# Altium PCB EDA-03518-V3-0_pcb.pcbdoc (part 9 of 14) (continued)
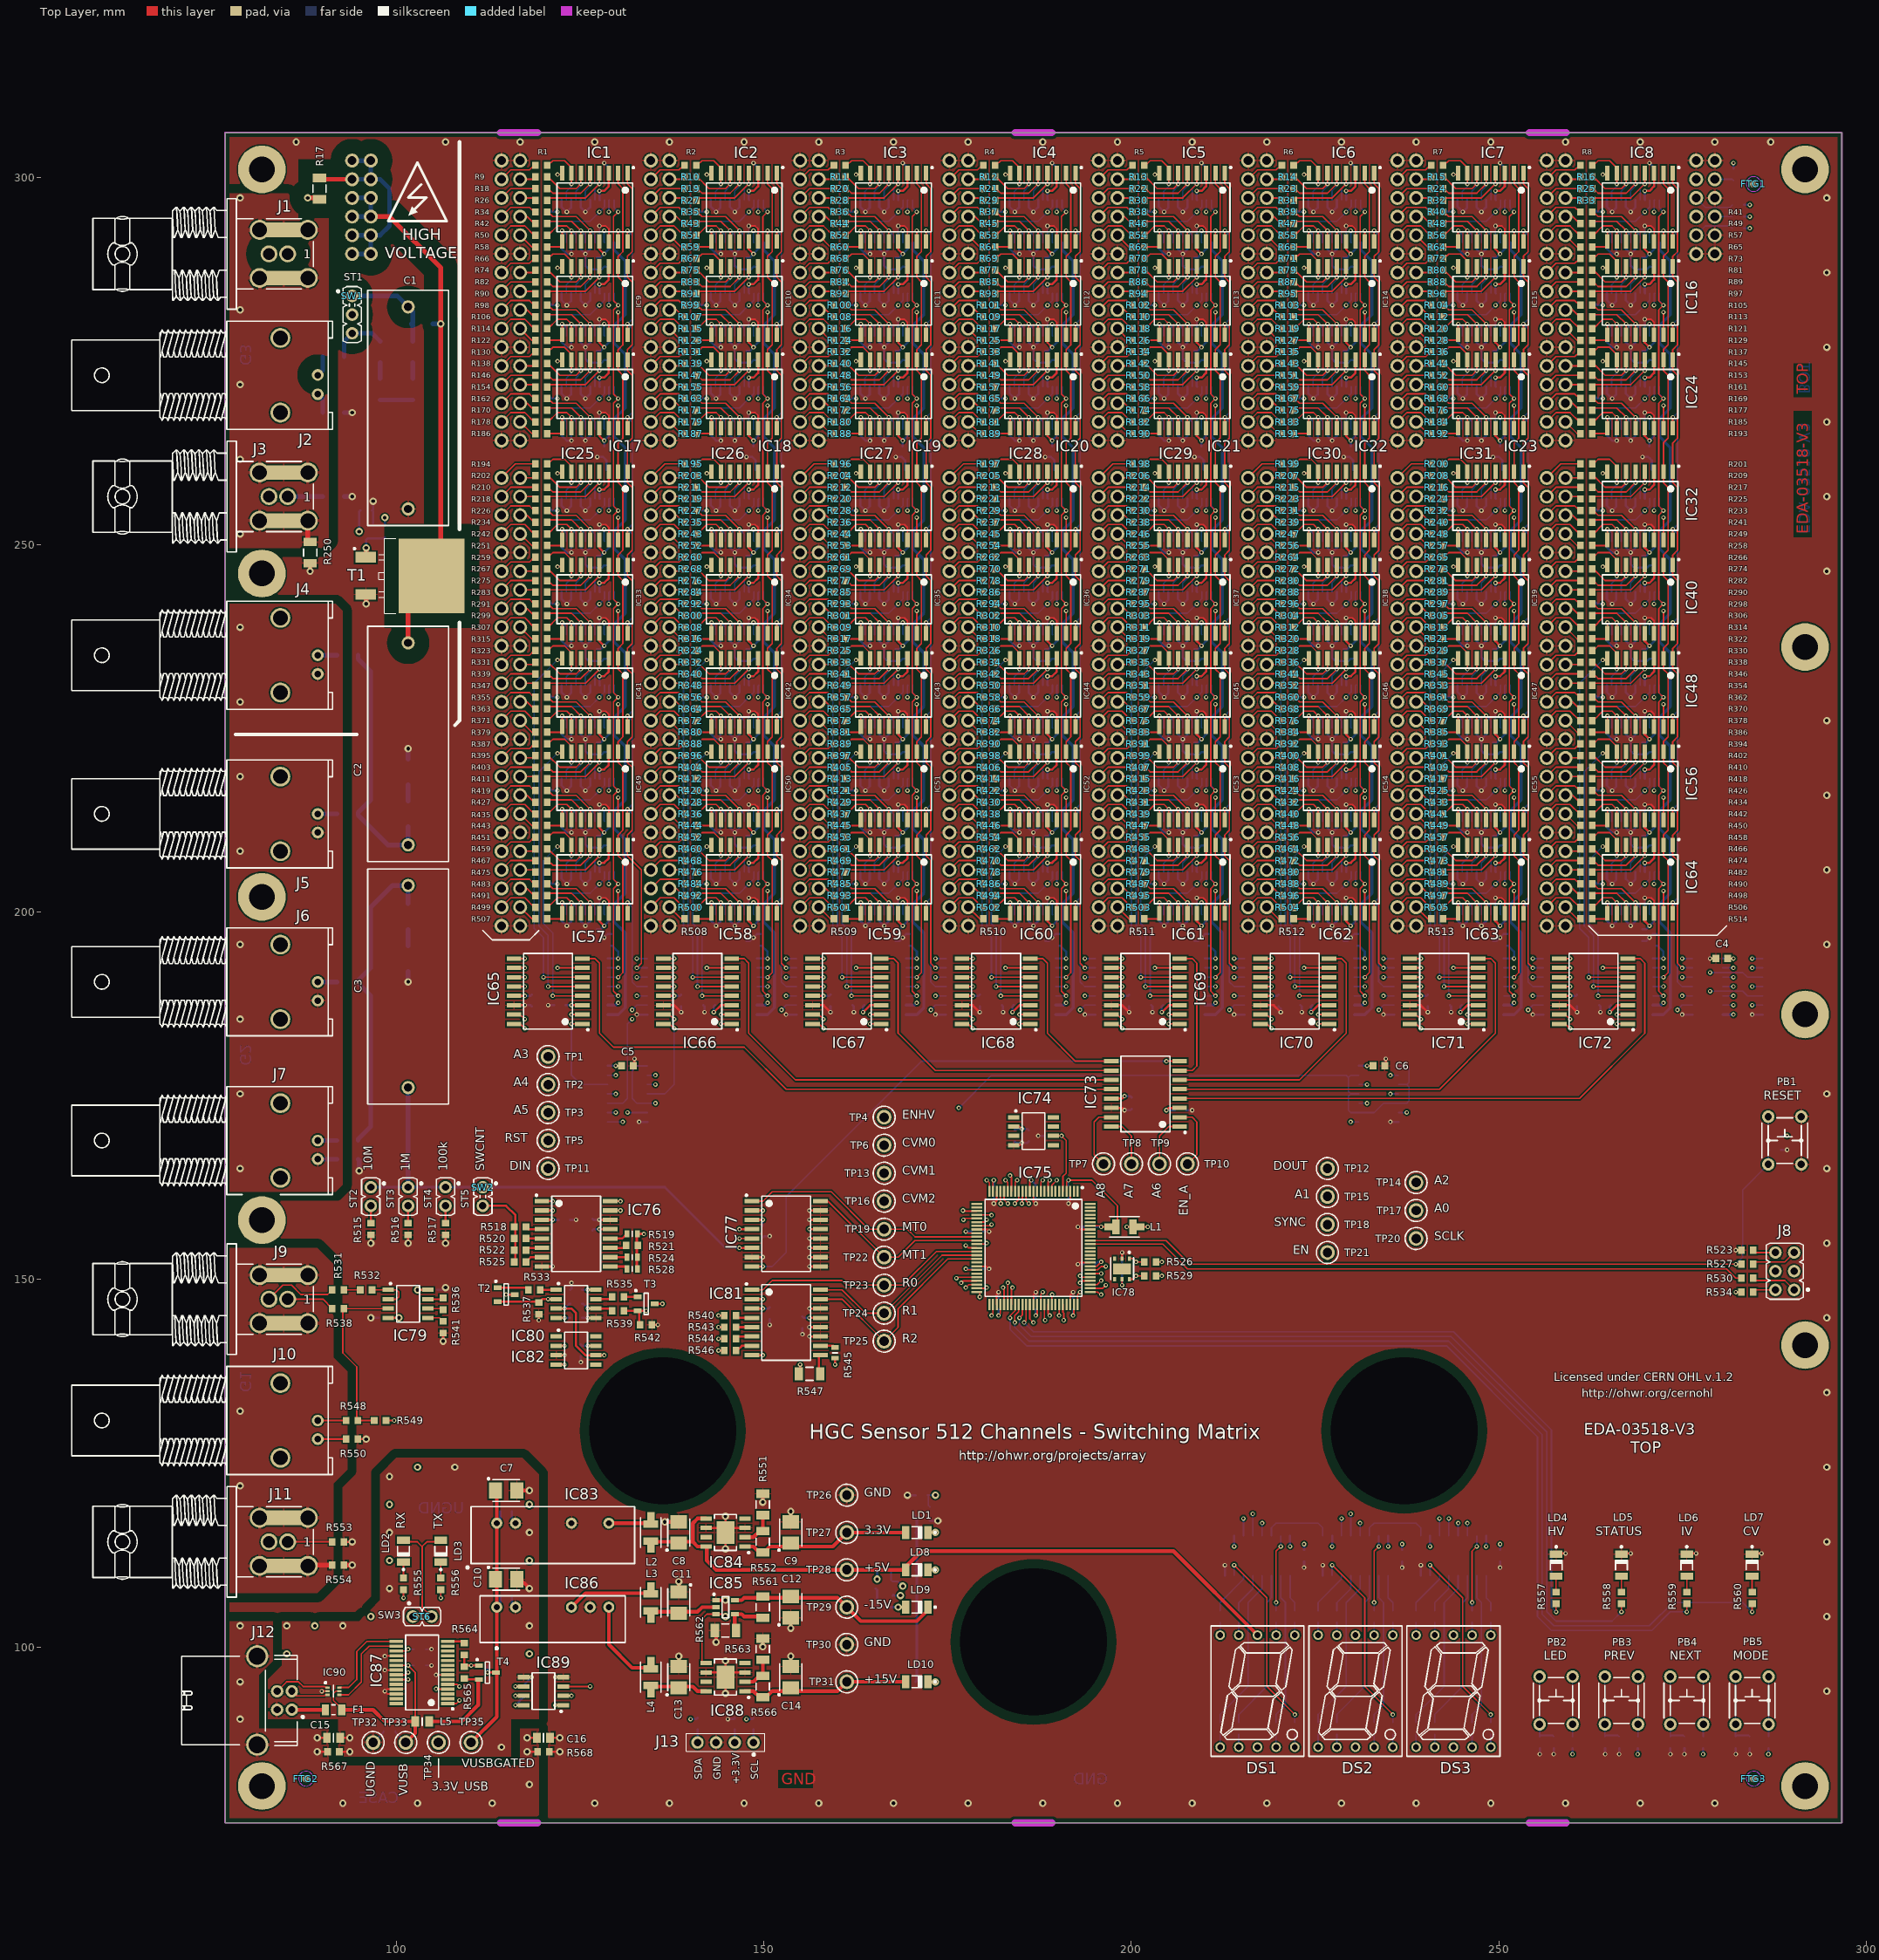
[diagram p0: Top Layer view]
## Nets (pads, with @x,y where several pads share a name; then routed paths per layer and width w, separated by ;. In a path a pad name is that pad's centre, name@x,y a point inside that pad or via, vN(x,y) a via of type N, cw(c..) or ccw(c..) an arc to the next point about the centre after c; other vN are vias at no path point) (continued)
NetIC10_5: IC10.5 IC105.18 R83.2 | length 10.6
  Top Layer w0.203: R83.2@140.818,285.75 140.97,285.75 141.605,285.115 145.415,285.115 v1(146.685,286.385) IC10.5@146.685,287.86
  Bottom Layer w0.203: IC105.18@146.042,284.205 146.042,285.425 146.685,286.067 v1(146.685,286.385)
NetIC10_6: IC10.6 IC105.16 R75.2 | length 9.5
  Top Layer w0.203: R75.2@140.818,287.337 140.97,287.337 142.558,285.75 144.78,285.75 v1(145.415,286.385) IC10.6@145.415,287.86
  Bottom Layer w0.203: IC105.16@144.742,284.205 144.742,285.395 145.415,286.067 v1(145.415,286.385)
NetIC10_7: IC10.7 IC105.14 R67.2 | length 8.7
  Top Layer w0.203: R67.2@140.818,288.925 140.97,288.925 141.605,289.56 143.192,289.56 144.145,288.608 IC10.7@144.145,287.86 v1(144.145,286.385)
  Bottom Layer w0.203: IC105.14@143.442,284.205 143.442,285.365 144.145,286.067 v1(144.145,286.385)
NetIC10_8: IC10.8 IC66.10 | length 99.3
  Top Layer w0.203: IC66.10@136.32,192.405 v1(137.795,192.405) ; v1(142.24,287.655) 142.67,287.655 IC10.8@142.875,287.86
  L6 w0.203: v1(137.795,192.405) 139.7,194.31 139.7,285.115 v1(142.24,287.655)
NetIC10_9: IC10.9 IC105.11 R123.2 | length 6.1
  Top Layer w0.203: R123.2@140.818,277.812 142.875,277.812 IC10.9@142.875,278.56 v1(142.875,280.035)
  Bottom Layer w0.203: v1(142.875,280.035) 143.442,279.468 IC105.11@143.442,278.405
NetIC10_10: IC10.10 IC105.9 R115.2 | length 7.5
  Top Layer w0.203: R115.2@140.818,279.4 140.97,279.4 142.24,280.67 143.51,280.67 v1(144.145,280.035) IC10.10@144.145,278.56
  Bottom Layer w0.203: v1(144.145,280.035) 144.742,279.438 IC105.9@144.742,278.405
NetIC10_11: IC10.11 IC105.7 R107.2 | length 8.6
  Top Layer w0.203: R107.2@140.818,280.988 141.135,281.305 144.145,281.305 v1(145.415,280.035) IC10.11@145.415,278.56
  Bottom Layer w0.203: v1(145.415,280.035) 146.042,279.408 IC105.7@146.042,278.405
NetIC10_12: IC10.12 IC105.5 R99.2 | length 10.3
  Top Layer w0.203: R99.2@140.818,282.575 140.97,282.575 141.605,281.94 144.78,281.94 v1(146.685,280.035) IC10.12@146.685,278.56
  Bottom Layer w0.203: v1(146.685,280.035) 147.342,279.378 IC105.5@147.342,278.405
NetIC11_4: IC11.4 IC104.20 R92.2 | length 12
  Top Layer w0.203: R92.2@161.138,284.162 161.455,284.48 166.37,284.48 v1(168.275,286.385) IC11.4@168.275,287.86
  Bottom Layer w0.203: IC104.20@167.662,284.205 167.662,285.772 v1(168.275,286.385)
NetIC11_5: IC11.5 IC104.18 R84.2 | length 10.6
  Top Layer w0.203: R84.2@161.138,285.75 161.29,285.75 161.925,285.115 165.735,285.115 v1(167.005,286.385) IC11.5@167.005,287.86
  Bottom Layer w0.203: IC104.18@166.362,284.205 166.362,285.425 167.005,286.067 v1(167.005,286.385)
NetIC11_6: IC11.6 IC104.16 R76.2 | length 9.5
  Top Layer w0.203: R76.2@161.138,287.337 161.29,287.337 162.877,285.75 165.1,285.75 v1(165.735,286.385) IC11.6@165.735,287.86
  Bottom Layer w0.203: IC104.16@165.062,284.205 165.062,285.395 165.735,286.067 v1(165.735,286.385)
NetIC11_7: IC11.7 IC104.14 R68.2 | length 8.7
  Top Layer w0.203: R68.2@161.138,288.925 161.29,288.925 161.925,289.56 163.512,289.56 164.465,288.608 IC11.7@164.465,287.86 v1(164.465,286.385)
  Bottom Layer w0.203: IC104.14@163.762,284.205 163.762,285.365 164.465,286.067 v1(164.465,286.385)
NetIC11_8: IC11.8 IC67.10 | length 99.3
  Top Layer w0.203: IC67.10@156.64,192.405 v1(158.115,192.405) ; v1(162.56,287.655) 162.99,287.655 IC11.8@163.195,287.86
  L6 w0.203: v1(158.115,192.405) 160.02,194.31 160.02,285.115 v1(162.56,287.655)
NetIC11_9: IC11.9 IC104.11 R124.2 | length 6.1
  Top Layer w0.203: R124.2@161.138,277.812 163.195,277.812 IC11.9@163.195,278.56 v1(163.195,280.035)
  Bottom Layer w0.203: v1(163.195,280.035) 163.762,279.468 IC104.11@163.762,278.405
NetIC11_10: IC11.10 IC104.9 R116.2 | length 7.5
  Top Layer w0.203: R116.2@161.138,279.4 161.29,279.4 162.56,280.67 163.83,280.67 v1(164.465,280.035) IC11.10@164.465,278.56
  Bottom Layer w0.203: v1(164.465,280.035) 165.062,279.438 IC104.9@165.062,278.405
NetIC11_11: IC11.11 IC104.7 R108.2 | length 8.6
  Top Layer w0.203: R108.2@161.138,280.988 161.455,281.305 164.465,281.305 v1(165.735,280.035) IC11.11@165.735,278.56
  Bottom Layer w0.203: v1(165.735,280.035) 166.362,279.408 IC104.7@166.362,278.405
NetIC11_12: IC11.12 IC104.5 R100.2 | length 10.3
  Top Layer w0.203: R100.2@161.138,282.575 161.29,282.575 161.925,281.94 165.1,281.94 v1(167.005,280.035) IC11.12@167.005,278.56
  Bottom Layer w0.203: v1(167.005,280.035) 167.662,279.378 IC104.5@167.662,278.405
NetIC12_4: IC12.4 IC103.20 R93.2 | length 12
  Top Layer w0.203: R93.2@181.458,284.162 181.775,284.48 186.69,284.48 v1(188.595,286.385) IC12.4@188.595,287.86
  Bottom Layer w0.203: IC103.20@187.982,284.205 187.982,285.772 v1(188.595,286.385)
NetIC12_5: IC12.5 IC103.18 R85.2 | length 10.6
  Top Layer w0.203: R85.2@181.458,285.75 181.61,285.75 182.245,285.115 186.055,285.115 v1(187.325,286.385) IC12.5@187.325,287.86
  Bottom Layer w0.203: IC103.18@186.682,284.205 186.682,285.425 187.325,286.067 v1(187.325,286.385)
NetIC12_6: IC12.6 IC103.16 R77.2 | length 9.5
  Top Layer w0.203: R77.2@181.458,287.337 181.61,287.337 183.197,285.75 185.42,285.75 v1(186.055,286.385) IC12.6@186.055,287.86
  Bottom Layer w0.203: IC103.16@185.382,284.205 185.382,285.395 186.055,286.067 v1(186.055,286.385)
NetIC12_7: IC12.7 IC103.14 R69.2 | length 8.7
  Top Layer w0.203: R69.2@181.458,288.925 181.61,288.925 182.245,289.56 183.832,289.56 184.785,288.608 IC12.7@184.785,287.86 v1(184.785,286.385)
  Bottom Layer w0.203: IC103.14@184.082,284.205 184.082,285.365 184.785,286.067 v1(184.785,286.385)
NetIC12_8: IC12.8 IC68.10 | length 99.3
  Top Layer w0.203: IC68.10@176.96,192.405 v1(178.435,192.405) ; v1(182.88,287.655) 183.31,287.655 IC12.8@183.515,287.86
  L6 w0.203: v1(178.435,192.405) 180.34,194.31 180.34,285.115 v1(182.88,287.655)
NetIC12_9: IC12.9 IC103.11 R125.2 | length 6.1
  Top Layer w0.203: R125.2@181.458,277.812 183.515,277.812 IC12.9@183.515,278.56 v1(183.515,280.035)
  Bottom Layer w0.203: v1(183.515,280.035) 184.082,279.468 IC103.11@184.082,278.405
NetIC12_10: IC12.10 IC103.9 R117.2 | length 7.5
  Top Layer w0.203: R117.2@181.458,279.4 181.61,279.4 182.88,280.67 184.15,280.67 v1(184.785,280.035) IC12.10@184.785,278.56
  Bottom Layer w0.203: v1(184.785,280.035) 185.382,279.438 IC103.9@185.382,278.405
NetIC12_11: IC12.11 IC103.7 R109.2 | length 8.6
  Top Layer w0.203: R109.2@181.458,280.988 181.775,281.305 184.785,281.305 v1(186.055,280.035) IC12.11@186.055,278.56
  Bottom Layer w0.203: v1(186.055,280.035) 186.682,279.408 IC103.7@186.682,278.405
NetIC12_12: IC12.12 IC103.5 R101.2 | length 10.3
  Top Layer w0.203: R101.2@181.458,282.575 181.61,282.575 182.245,281.94 185.42,281.94 v1(187.325,280.035) IC12.12@187.325,278.56
  Bottom Layer w0.203: v1(187.325,280.035) 187.982,279.378 IC103.5@187.982,278.405
NetIC13_4: IC13.4 IC102.20 R94.2 | length 12
  Top Layer w0.203: R94.2@201.778,284.162 202.095,284.48 207.01,284.48 v1(208.915,286.385) IC13.4@208.915,287.86
  Bottom Layer w0.203: IC102.20@208.302,284.205 208.302,285.772 v1(208.915,286.385)
NetIC13_5: IC13.5 IC102.18 R86.2 | length 10.6
  Top Layer w0.203: R86.2@201.778,285.75 201.93,285.75 202.565,285.115 206.375,285.115 v1(207.645,286.385) IC13.5@207.645,287.86
  Bottom Layer w0.203: IC102.18@207.002,284.205 207.002,285.425 207.645,286.067 v1(207.645,286.385)
NetIC13_6: IC13.6 IC102.16 R78.2 | length 9.5
  Top Layer w0.203: R78.2@201.778,287.337 201.93,287.337 203.517,285.75 205.74,285.75 v1(206.375,286.385) IC13.6@206.375,287.86
  Bottom Layer w0.203: IC102.16@205.702,284.205 205.702,285.395 206.375,286.067 v1(206.375,286.385)
NetIC13_7: IC13.7 IC102.14 R70.2 | length 8.7
  Top Layer w0.203: R70.2@201.778,288.925 201.93,288.925 202.565,289.56 204.153,289.56 205.105,288.608 IC13.7@205.105,287.86 v1(205.105,286.385)
  Bottom Layer w0.203: IC102.14@204.402,284.205 204.402,285.365 205.105,286.067 v1(205.105,286.385)
NetIC13_8: IC13.8 IC69.10 | length 99.3
  Top Layer w0.203: IC69.10@197.28,192.405 v1(198.755,192.405) ; v1(203.2,287.655) 203.63,287.655 IC13.8@203.835,287.86
  L6 w0.203: v1(198.755,192.405) 200.66,194.31 200.66,285.115 v1(203.2,287.655)
NetIC13_9: IC13.9 IC102.11 R126.2 | length 6.1
  Top Layer w0.203: R126.2@201.778,277.812 203.835,277.812 IC13.9@203.835,278.56 v1(203.835,280.035)
  Bottom Layer w0.203: v1(203.835,280.035) 204.402,279.468 IC102.11@204.402,278.405
NetIC13_10: IC13.10 IC102.9 R118.2 | length 7.5
  Top Layer w0.203: R118.2@201.778,279.4 201.93,279.4 203.2,280.67 204.47,280.67 v1(205.105,280.035) IC13.10@205.105,278.56
  Bottom Layer w0.203: v1(205.105,280.035) 205.702,279.438 IC102.9@205.702,278.405
NetIC13_11: IC13.11 IC102.7 R110.2 | length 8.6
  Top Layer w0.203: R110.2@201.778,280.988 202.095,281.305 205.105,281.305 v1(206.375,280.035) IC13.11@206.375,278.56
  Bottom Layer w0.203: v1(206.375,280.035) 207.002,279.408 IC102.7@207.002,278.405
NetIC13_12: IC13.12 IC102.5 R102.2 | length 10.3
  Top Layer w0.203: R102.2@201.778,282.575 201.93,282.575 202.565,281.94 205.74,281.94 v1(207.645,280.035) IC13.12@207.645,278.56
  Bottom Layer w0.203: v1(207.645,280.035) 208.302,279.378 IC102.5@208.302,278.405
NetIC14_4: IC14.4 IC101.20 R95.2 | length 12
  Top Layer w0.203: R95.2@222.098,284.162 222.415,284.48 227.33,284.48 v1(229.235,286.385) IC14.4@229.235,287.86
  Bottom Layer w0.203: IC101.20@228.622,284.205 228.622,285.772 v1(229.235,286.385)
NetIC14_5: IC14.5 IC101.18 R87.2 | length 10.6
  Top Layer w0.203: R87.2@222.098,285.75 222.25,285.75 222.885,285.115 226.695,285.115 v1(227.965,286.385) IC14.5@227.965,287.86
  Bottom Layer w0.203: IC101.18@227.322,284.205 227.322,285.425 227.965,286.067 v1(227.965,286.385)
NetIC14_6: IC14.6 IC101.16 R79.2 | length 9.5
  Top Layer w0.203: R79.2@222.098,287.337 222.25,287.337 223.837,285.75 226.06,285.75 v1(226.695,286.385) IC14.6@226.695,287.86
  Bottom Layer w0.203: IC101.16@226.022,284.205 226.022,285.395 226.695,286.067 v1(226.695,286.385)
NetIC14_7: IC14.7 IC101.14 R71.2 | length 8.7
  Top Layer w0.203: R71.2@222.098,288.925 222.25,288.925 222.885,289.56 224.472,289.56 225.425,288.608 IC14.7@225.425,287.86 v1(225.425,286.385)
  Bottom Layer w0.203: IC101.14@224.722,284.205 224.722,285.365 225.425,286.067 v1(225.425,286.385)
NetIC14_8: IC14.8 IC70.10 | length 99.3
  Top Layer w0.203: IC70.10@217.6,192.405 v1(219.075,192.405) ; v1(223.52,287.655) 223.95,287.655 IC14.8@224.155,287.86
  L6 w0.203: v1(219.075,192.405) 220.98,194.31 220.98,285.115 v1(223.52,287.655)
NetIC14_9: IC14.9 IC101.11 R127.2 | length 6.1
  Top Layer w0.203: R127.2@222.098,277.812 224.155,277.812 IC14.9@224.155,278.56 v1(224.155,280.035)
  Bottom Layer w0.203: v1(224.155,280.035) 224.722,279.468 IC101.11@224.722,278.405
NetIC14_10: IC14.10 IC101.9 R119.2 | length 7.5
  Top Layer w0.203: R119.2@222.098,279.4 222.25,279.4 223.52,280.67 224.79,280.67 v1(225.425,280.035) IC14.10@225.425,278.56
  Bottom Layer w0.203: v1(225.425,280.035) 226.022,279.438 IC101.9@226.022,278.405
NetIC14_11: IC14.11 IC101.7 R111.2 | length 8.6
  Top Layer w0.203: R111.2@222.098,280.988 222.415,281.305 225.425,281.305 v1(226.695,280.035) IC14.11@226.695,278.56
  Bottom Layer w0.203: v1(226.695,280.035) 227.322,279.408 IC101.7@227.322,278.405
NetIC14_12: IC14.12 IC101.5 R103.2 | length 10.3
  Top Layer w0.203: R103.2@222.098,282.575 222.25,282.575 222.885,281.94 226.06,281.94 v1(227.965,280.035) IC14.12@227.965,278.56
  Bottom Layer w0.203: v1(227.965,280.035) 228.622,279.378 IC101.5@228.622,278.405
NetIC15_4: IC15.4 IC100.20 R96.2 | length 12
  Top Layer w0.203: R96.2@242.418,284.162 242.735,284.48 247.65,284.48 v1(249.555,286.385) IC15.4@249.555,287.86
  Bottom Layer w0.203: IC100.20@248.942,284.205 248.942,285.772 v1(249.555,286.385)
NetIC15_5: IC15.5 IC100.18 R88.2 | length 10.6
  Top Layer w0.203: R88.2@242.418,285.75 242.57,285.75 243.205,285.115 247.015,285.115 v1(248.285,286.385) IC15.5@248.285,287.86
  Bottom Layer w0.203: IC100.18@247.642,284.205 247.642,285.425 248.285,286.067 v1(248.285,286.385)
NetIC15_6: IC15.6 IC100.16 R80.2 | length 9.5
  Top Layer w0.203: R80.2@242.418,287.337 242.57,287.337 244.157,285.75 246.38,285.75 v1(247.015,286.385) IC15.6@247.015,287.86
  Bottom Layer w0.203: IC100.16@246.342,284.205 246.342,285.395 247.015,286.067 v1(247.015,286.385)
NetIC15_7: IC15.7 IC100.14 R72.2 | length 8.7
  Top Layer w0.203: R72.2@242.418,288.925 242.57,288.925 243.205,289.56 244.792,289.56 245.745,288.608 IC15.7@245.745,287.86 v1(245.745,286.385)
  Bottom Layer w0.203: IC100.14@245.042,284.205 245.042,285.365 245.745,286.067 v1(245.745,286.385)
NetIC15_8: IC15.8 IC71.10 | length 99.3
  Top Layer w0.203: IC71.10@237.92,192.405 v1(239.395,192.405) ; v1(243.84,287.655) 244.27,287.655 IC15.8@244.475,287.86
  L6 w0.203: v1(239.395,192.405) 241.3,194.31 241.3,285.115 v1(243.84,287.655)
NetIC15_9: IC15.9 IC100.11 R128.2 | length 6.1
  Top Layer w0.203: R128.2@242.418,277.812 244.475,277.812 IC15.9@244.475,278.56 v1(244.475,280.035)
  Bottom Layer w0.203: v1(244.475,280.035) 245.042,279.468 IC100.11@245.042,278.405
NetIC15_10: IC15.10 IC100.9 R120.2 | length 7.5
  Top Layer w0.203: R120.2@242.418,279.4 242.57,279.4 243.84,280.67 245.11,280.67 v1(245.745,280.035) IC15.10@245.745,278.56
  Bottom Layer w0.203: v1(245.745,280.035) 246.342,279.438 IC100.9@246.342,278.405
NetIC15_11: IC15.11 IC100.7 R112.2 | length 8.6
  Top Layer w0.203: R112.2@242.418,280.988 242.735,281.305 245.745,281.305 v1(247.015,280.035) IC15.11@247.015,278.56
  Bottom Layer w0.203: v1(247.015,280.035) 247.642,279.408 IC100.7@247.642,278.405
NetIC15_12: IC15.12 IC100.5 R104.2 | length 10.3
  Top Layer w0.203: R104.2@242.418,282.575 242.57,282.575 243.205,281.94 246.38,281.94 v1(248.285,280.035) IC15.12@248.285,278.56
  Bottom Layer w0.203: v1(248.285,280.035) 248.942,279.378 IC100.5@248.942,278.405
NetIC16_4: IC16.4 IC99.20 R97.2 | length 12
  Top Layer w0.203: R97.2@262.738,284.162 263.055,284.48 267.97,284.48 v1(269.875,286.385) IC16.4@269.875,287.86
  Bottom Layer w0.203: IC99.20@269.262,284.205 269.262,285.772 v1(269.875,286.385)
NetIC16_5: IC16.5 IC99.18 R89.2 | length 10.6
  Top Layer w0.203: R89.2@262.738,285.75 262.89,285.75 263.525,285.115 267.335,285.115 v1(268.605,286.385) IC16.5@268.605,287.86
  Bottom Layer w0.203: IC99.18@267.962,284.205 267.962,285.425 268.605,286.067 v1(268.605,286.385)
NetIC16_6: IC16.6 IC99.16 R81.2 | length 9.5
  Top Layer w0.203: R81.2@262.738,287.337 262.89,287.337 264.477,285.75 266.7,285.75 v1(267.335,286.385) IC16.6@267.335,287.86
  Bottom Layer w0.203: IC99.16@266.662,284.205 266.662,285.395 267.335,286.067 v1(267.335,286.385)
NetIC16_7: IC16.7 IC99.14 R73.2 | length 8.7
  Top Layer w0.203: R73.2@262.738,288.925 262.89,288.925 263.525,289.56 265.113,289.56 266.065,288.608 IC16.7@266.065,287.86 v1(266.065,286.385)
  Bottom Layer w0.203: IC99.14@265.362,284.205 265.362,285.365 266.065,286.067 v1(266.065,286.385)
NetIC16_8: IC16.8 IC72.10 | length 99.3
  Top Layer w0.203: IC72.10@258.24,192.405 v1(259.715,192.405) ; v1(264.16,287.655) 264.59,287.655 IC16.8@264.795,287.86
  L6 w0.203: v1(259.715,192.405) 261.62,194.31 261.62,285.115 v1(264.16,287.655)
NetIC16_9: IC16.9 IC99.11 R129.2 | length 6.1
  Top Layer w0.203: R129.2@262.738,277.812 264.795,277.812 IC16.9@264.795,278.56 v1(264.795,280.035)
  Bottom Layer w0.203: v1(264.795,280.035) 265.362,279.468 IC99.11@265.362,278.405
NetIC16_10: IC16.10 IC99.9 R121.2 | length 7.5
  Top Layer w0.203: R121.2@262.738,279.4 262.89,279.4 264.16,280.67 265.43,280.67 v1(266.065,280.035) IC16.10@266.065,278.56
  Bottom Layer w0.203: v1(266.065,280.035) 266.662,279.438 IC99.9@266.662,278.405
NetIC16_11: IC16.11 IC99.7 R113.2 | length 8.6
  Top Layer w0.203: R113.2@262.738,280.988 263.055,281.305 266.065,281.305 v1(267.335,280.035) IC16.11@267.335,278.56
  Bottom Layer w0.203: v1(267.335,280.035) 267.962,279.408 IC99.7@267.962,278.405
NetIC16_12: IC16.12 IC99.5 R105.2 | length 10.3
  Top Layer w0.203: R105.2@262.738,282.575 262.89,282.575 263.525,281.94 266.7,281.94 v1(268.605,280.035) IC16.12@268.605,278.56
  Bottom Layer w0.203: v1(268.605,280.035) 269.262,279.378 IC99.5@269.262,278.405
NetIC17_4: IC17.4 IC114.20 R154.2 | length 12
  Top Layer w0.203: R154.2@120.498,271.462 120.815,271.78 125.73,271.78 v1(127.635,273.685) IC17.4@127.635,275.16
  Bottom Layer w0.203: IC114.20@127.022,271.505 127.022,273.072 v1(127.635,273.685)
NetIC17_5: IC17.5 IC114.18 R146.2 | length 10.6
  Top Layer w0.203: R146.2@120.498,273.05 120.65,273.05 121.285,272.415 125.095,272.415 v1(126.365,273.685) IC17.5@126.365,275.16
  Bottom Layer w0.203: IC114.18@125.722,271.505 125.722,272.725 126.365,273.368 v1(126.365,273.685)
NetIC17_6: IC17.6 IC114.16 R138.2 | length 9.5
  Top Layer w0.203: R138.2@120.498,274.637 120.65,274.637 122.237,273.05 124.46,273.05 v1(125.095,273.685) IC17.6@125.095,275.16
  Bottom Layer w0.203: IC114.16@124.422,271.505 124.422,272.695 125.095,273.368 v1(125.095,273.685)
NetIC17_7: IC17.7 IC114.14 R130.2 | length 8.7
  Top Layer w0.203: R130.2@120.498,276.225 120.65,276.225 121.285,276.86 122.872,276.86 123.825,275.907 IC17.7@123.825,275.16 v1(123.825,273.685)
  Bottom Layer w0.203: IC114.14@123.122,271.505 123.122,272.665 123.825,273.368 v1(123.825,273.685)
NetIC17_8: IC17.8 IC65.11 | length 87.9
  Top Layer w0.203: IC65.11@116,191.135 v1(117.475,191.135) ; v1(121.92,274.955) 122.35,274.955 IC17.8@122.555,275.16
  L6 w0.203: v1(117.475,191.135) 120.015,193.675 120.015,273.05 v1(121.92,274.955)
NetIC17_9: IC17.9 IC114.11 R186.2 | length 6.1
  Top Layer w0.203: R186.2@120.498,265.113 122.555,265.113 IC17.9@122.555,265.86 v1(122.555,267.335)
  Bottom Layer w0.203: v1(122.555,267.335) 123.122,266.768 IC114.11@123.122,265.705
NetIC17_10: IC17.10 IC114.9 R178.2 | length 7.5
  Top Layer w0.203: R178.2@120.498,266.7 120.65,266.7 121.92,267.97 123.19,267.97 v1(123.825,267.335) IC17.10@123.825,265.86
  Bottom Layer w0.203: v1(123.825,267.335) 124.422,266.738 IC114.9@124.422,265.705
NetIC17_11: IC17.11 IC114.7 R170.2 | length 8.6
  Top Layer w0.203: R170.2@120.498,268.287 120.815,268.605 123.825,268.605 v1(125.095,267.335) IC17.11@125.095,265.86
  Bottom Layer w0.203: v1(125.095,267.335) 125.722,266.708 IC114.7@125.722,265.705
NetIC17_12: IC17.12 IC114.5 R162.2 | length 10.3
  Top Layer w0.203: R162.2@120.498,269.875 120.65,269.875 121.285,269.24 124.46,269.24 v1(126.365,267.335) IC17.12@126.365,265.86
  Bottom Layer w0.203: v1(126.365,267.335) 127.022,266.678 IC114.5@127.022,265.705
NetIC18_4: IC18.4 IC113.20 R155.2 | length 12
  Top Layer w0.203: R155.2@140.818,271.462 141.135,271.78 146.05,271.78 v1(147.955,273.685) IC18.4@147.955,275.16
  Bottom Layer w0.203: IC113.20@147.342,271.505 147.342,273.072 v1(147.955,273.685)
NetIC18_5: IC18.5 IC113.18 R147.2 | length 10.6
  Top Layer w0.203: R147.2@140.818,273.05 140.97,273.05 141.605,272.415 145.415,272.415 v1(146.685,273.685) IC18.5@146.685,275.16
  Bottom Layer w0.203: IC113.18@146.042,271.505 146.042,272.725 146.685,273.368 v1(146.685,273.685)
NetIC18_6: IC18.6 IC113.16 R139.2 | length 9.5
  Top Layer w0.203: R139.2@140.818,274.637 140.97,274.637 142.558,273.05 144.78,273.05 v1(145.415,273.685) IC18.6@145.415,275.16
  Bottom Layer w0.203: IC113.16@144.742,271.505 144.742,272.695 145.415,273.368 v1(145.415,273.685)
NetIC18_7: IC18.7 IC113.14 R131.2 | length 8.7
  Top Layer w0.203: R131.2@140.818,276.225 140.97,276.225 141.605,276.86 143.192,276.86 144.145,275.907 IC18.7@144.145,275.16 v1(144.145,273.685)
  Bottom Layer w0.203: IC113.14@143.442,271.505 143.442,272.665 144.145,273.368 v1(144.145,273.685)
NetIC18_8: IC18.8 IC66.11 | length 87.9
  Top Layer w0.203: IC66.11@136.32,191.135 v1(137.795,191.135) ; v1(142.24,274.955) 142.67,274.955 IC18.8@142.875,275.16
  L6 w0.203: v1(137.795,191.135) 140.335,193.675 140.335,273.05 v1(142.24,274.955)
NetIC18_9: IC18.9 IC113.11 R187.2 | length 6.1
  Top Layer w0.203: R187.2@140.818,265.113 142.875,265.113 IC18.9@142.875,265.86 v1(142.875,267.335)
  Bottom Layer w0.203: v1(142.875,267.335) 143.442,266.768 IC113.11@143.442,265.705
NetIC18_10: IC18.10 IC113.9 R179.2 | length 7.5
  Top Layer w0.203: R179.2@140.818,266.7 140.97,266.7 142.24,267.97 143.51,267.97 v1(144.145,267.335) IC18.10@144.145,265.86
  Bottom Layer w0.203: v1(144.145,267.335) 144.742,266.738 IC113.9@144.742,265.705
NetIC18_11: IC18.11 IC113.7 R171.2 | length 8.6
  Top Layer w0.203: R171.2@140.818,268.287 141.135,268.605 144.145,268.605 v1(145.415,267.335) IC18.11@145.415,265.86
  Bottom Layer w0.203: v1(145.415,267.335) 146.042,266.708 IC113.7@146.042,265.705
NetIC18_12: IC18.12 IC113.5 R163.2 | length 10.3
  Top Layer w0.203: R163.2@140.818,269.875 140.97,269.875 141.605,269.24 144.78,269.24 v1(146.685,267.335) IC18.12@146.685,265.86
  Bottom Layer w0.203: v1(146.685,267.335) 147.342,266.678 IC113.5@147.342,265.705
NetIC19_4: IC19.4 IC112.20 R156.2 | length 12
  Top Layer w0.203: R156.2@161.138,271.462 161.455,271.78 166.37,271.78 v1(168.275,273.685) IC19.4@168.275,275.16
  Bottom Layer w0.203: IC112.20@167.662,271.505 167.662,273.072 v1(168.275,273.685)
NetIC19_5: IC19.5 IC112.18 R148.2 | length 10.6
  Top Layer w0.203: R148.2@161.138,273.05 161.29,273.05 161.925,272.415 165.735,272.415 v1(167.005,273.685) IC19.5@167.005,275.16
  Bottom Layer w0.203: IC112.18@166.362,271.505 166.362,272.725 167.005,273.368 v1(167.005,273.685)
NetIC19_6: IC19.6 IC112.16 R140.2 | length 9.5
  Top Layer w0.203: R140.2@161.138,274.637 161.29,274.637 162.877,273.05 165.1,273.05 v1(165.735,273.685) IC19.6@165.735,275.16
  Bottom Layer w0.203: IC112.16@165.062,271.505 165.062,272.695 165.735,273.368 v1(165.735,273.685)
NetIC19_7: IC19.7 IC112.14 R132.2 | length 8.7
  Top Layer w0.203: R132.2@161.138,276.225 161.29,276.225 161.925,276.86 163.512,276.86 164.465,275.907 IC19.7@164.465,275.16 v1(164.465,273.685)
  Bottom Layer w0.203: IC112.14@163.762,271.505 163.762,272.665 164.465,273.368 v1(164.465,273.685)
NetIC19_8: IC19.8 IC67.11 | length 87.9
  Top Layer w0.203: IC67.11@156.64,191.135 v1(158.115,191.135) ; v1(162.56,274.955) 162.99,274.955 IC19.8@163.195,275.16
  L6 w0.203: v1(158.115,191.135) 160.655,193.675 160.655,273.05 v1(162.56,274.955)
NetIC19_9: IC19.9 IC112.11 R188.2 | length 6.1
  Top Layer w0.203: R188.2@161.138,265.113 163.195,265.113 IC19.9@163.195,265.86 v1(163.195,267.335)
  Bottom Layer w0.203: v1(163.195,267.335) 163.762,266.768 IC112.11@163.762,265.705
NetIC19_10: IC19.10 IC112.9 R180.2 | length 7.5
  Top Layer w0.203: R180.2@161.138,266.7 161.29,266.7 162.56,267.97 163.83,267.97 v1(164.465,267.335) IC19.10@164.465,265.86
  Bottom Layer w0.203: v1(164.465,267.335) 165.062,266.738 IC112.9@165.062,265.705
NetIC19_11: IC19.11 IC112.7 R172.2 | length 8.6
  Top Layer w0.203: R172.2@161.138,268.287 161.455,268.605 164.465,268.605 v1(165.735,267.335) IC19.11@165.735,265.86
  Bottom Layer w0.203: v1(165.735,267.335) 166.362,266.708 IC112.7@166.362,265.705
NetIC19_12: IC19.12 IC112.5 R164.2 | length 10.3
  Top Layer w0.203: R164.2@161.138,269.875 161.29,269.875 161.925,269.24 165.1,269.24 v1(167.005,267.335) IC19.12@167.005,265.86
  Bottom Layer w0.203: v1(167.005,267.335) 167.662,266.678 IC112.5@167.662,265.705
NetIC20_4: IC20.4 IC111.20 R157.2 | length 12
  Top Layer w0.203: R157.2@181.458,271.462 181.775,271.78 186.69,271.78 v1(188.595,273.685) IC20.4@188.595,275.16
  Bottom Layer w0.203: IC111.20@187.982,271.505 187.982,273.072 v1(188.595,273.685)
NetIC20_5: IC20.5 IC111.18 R149.2 | length 10.6
  Top Layer w0.203: R149.2@181.458,273.05 181.61,273.05 182.245,272.415 186.055,272.415 v1(187.325,273.685) IC20.5@187.325,275.16
  Bottom Layer w0.203: IC111.18@186.682,271.505 186.682,272.725 187.325,273.368 v1(187.325,273.685)
NetIC20_6: IC20.6 IC111.16 R141.2 | length 9.5
  Top Layer w0.203: R141.2@181.458,274.637 181.61,274.637 183.197,273.05 185.42,273.05 v1(186.055,273.685) IC20.6@186.055,275.16
  Bottom Layer w0.203: IC111.16@185.382,271.505 185.382,272.695 186.055,273.368 v1(186.055,273.685)
NetIC20_7: IC20.7 IC111.14 R133.2 | length 8.7
  Top Layer w0.203: R133.2@181.458,276.225 181.61,276.225 182.245,276.86 183.832,276.86 184.785,275.907 IC20.7@184.785,275.16 v1(184.785,273.685)
  Bottom Layer w0.203: IC111.14@184.082,271.505 184.082,272.665 184.785,273.368 v1(184.785,273.685)
NetIC20_8: IC20.8 IC68.11 | length 87.9
  Top Layer w0.203: IC68.11@176.96,191.135 v1(178.435,191.135) ; v1(182.88,274.955) 183.31,274.955 IC20.8@183.515,275.16
  L6 w0.203: v1(178.435,191.135) 180.975,193.675 180.975,273.05 v1(182.88,274.955)
NetIC20_9: IC20.9 IC111.11 R189.2 | length 6.1
  Top Layer w0.203: R189.2@181.458,265.113 183.515,265.113 IC20.9@183.515,265.86 v1(183.515,267.335)
  Bottom Layer w0.203: v1(183.515,267.335) 184.082,266.768 IC111.11@184.082,265.705
NetIC20_10: IC20.10 IC111.9 R181.2 | length 7.5
  Top Layer w0.203: R181.2@181.458,266.7 181.61,266.7 182.88,267.97 184.15,267.97 v1(184.785,267.335) IC20.10@184.785,265.86
  Bottom Layer w0.203: v1(184.785,267.335) 185.382,266.738 IC111.9@185.382,265.705
NetIC20_11: IC20.11 IC111.7 R173.2 | length 8.6
  Top Layer w0.203: R173.2@181.458,268.287 181.775,268.605 184.785,268.605 v1(186.055,267.335) IC20.11@186.055,265.86
  Bottom Layer w0.203: v1(186.055,267.335) 186.682,266.708 IC111.7@186.682,265.705
NetIC20_12: IC20.12 IC111.5 R165.2 | length 10.3
  Top Layer w0.203: R165.2@181.458,269.875 181.61,269.875 182.245,269.24 185.42,269.24 v1(187.325,267.335) IC20.12@187.325,265.86
  Bottom Layer w0.203: v1(187.325,267.335) 187.982,266.678 IC111.5@187.982,265.705
NetIC21_4: IC21.4 IC110.20 R158.2 | length 12
  Top Layer w0.203: R158.2@201.778,271.462 202.095,271.78 207.01,271.78 v1(208.915,273.685) IC21.4@208.915,275.16
  Bottom Layer w0.203: IC110.20@208.302,271.505 208.302,273.072 v1(208.915,273.685)
NetIC21_5: IC21.5 IC110.18 R150.2 | length 10.6
  Top Layer w0.203: R150.2@201.778,273.05 201.93,273.05 202.565,272.415 206.375,272.415 v1(207.645,273.685) IC21.5@207.645,275.16
  Bottom Layer w0.203: IC110.18@207.002,271.505 207.002,272.725 207.645,273.368 v1(207.645,273.685)
NetIC21_6: IC21.6 IC110.16 R142.2 | length 9.5
  Top Layer w0.203: R142.2@201.778,274.637 201.93,274.637 203.517,273.05 205.74,273.05 v1(206.375,273.685) IC21.6@206.375,275.16
  Bottom Layer w0.203: IC110.16@205.702,271.505 205.702,272.695 206.375,273.368 v1(206.375,273.685)
NetIC21_7: IC21.7 IC110.14 R134.2 | length 8.7
  Top Layer w0.203: R134.2@201.778,276.225 201.93,276.225 202.565,276.86 204.153,276.86 205.105,275.907 IC21.7@205.105,275.16 v1(205.105,273.685)
  Bottom Layer w0.203: IC110.14@204.402,271.505 204.402,272.665 205.105,273.368 v1(205.105,273.685)
NetIC21_8: IC21.8 IC69.11 | length 87.9
  Top Layer w0.203: IC69.11@197.28,191.135 v1(198.755,191.135) ; v1(203.2,274.955) 203.63,274.955 IC21.8@203.835,275.16
  L6 w0.203: v1(198.755,191.135) 201.295,193.675 201.295,273.05 v1(203.2,274.955)
NetIC21_9: IC21.9 IC110.11 R190.2 | length 6.1
  Top Layer w0.203: R190.2@201.778,265.113 203.835,265.113 IC21.9@203.835,265.86 v1(203.835,267.335)
  Bottom Layer w0.203: v1(203.835,267.335) 204.402,266.768 IC110.11@204.402,265.705
NetIC21_10: IC21.10 IC110.9 R182.2 | length 7.5
  Top Layer w0.203: R182.2@201.778,266.7 201.93,266.7 203.2,267.97 204.47,267.97 v1(205.105,267.335) IC21.10@205.105,265.86
  Bottom Layer w0.203: v1(205.105,267.335) 205.702,266.738 IC110.9@205.702,265.705
NetIC21_11: IC21.11 IC110.7 R174.2 | length 8.6
  Top Layer w0.203: R174.2@201.778,268.287 202.095,268.605 205.105,268.605 v1(206.375,267.335) IC21.11@206.375,265.86
  Bottom Layer w0.203: v1(206.375,267.335) 207.002,266.708 IC110.7@207.002,265.705
NetIC21_12: IC21.12 IC110.5 R166.2 | length 10.3
  Top Layer w0.203: R166.2@201.778,269.875 201.93,269.875 202.565,269.24 205.74,269.24 v1(207.645,267.335) IC21.12@207.645,265.86
  Bottom Layer w0.203: v1(207.645,267.335) 208.302,266.678 IC110.5@208.302,265.705
NetIC22_4: IC22.4 IC109.20 R159.2 | length 12
  Top Layer w0.203: R159.2@222.098,271.462 222.415,271.78 227.33,271.78 v1(229.235,273.685) IC22.4@229.235,275.16
  Bottom Layer w0.203: IC109.20@228.622,271.505 228.622,273.072 v1(229.235,273.685)
NetIC22_5: IC22.5 IC109.18 R151.2 | length 10.6
  Top Layer w0.203: R151.2@222.098,273.05 222.25,273.05 222.885,272.415 226.695,272.415 v1(227.965,273.685) IC22.5@227.965,275.16
  Bottom Layer w0.203: IC109.18@227.322,271.505 227.322,272.725 227.965,273.368 v1(227.965,273.685)
NetIC22_6: IC22.6 IC109.16 R143.2 | length 9.5
  Top Layer w0.203: R143.2@222.098,274.637 222.25,274.637 223.837,273.05 226.06,273.05 v1(226.695,273.685) IC22.6@226.695,275.16
  Bottom Layer w0.203: IC109.16@226.022,271.505 226.022,272.695 226.695,273.368 v1(226.695,273.685)
NetIC22_7: IC22.7 IC109.14 R135.2 | length 8.7
  Top Layer w0.203: R135.2@222.098,276.225 222.25,276.225 222.885,276.86 224.472,276.86 225.425,275.907 IC22.7@225.425,275.16 v1(225.425,273.685)
  Bottom Layer w0.203: IC109.14@224.722,271.505 224.722,272.665 225.425,273.368 v1(225.425,273.685)